# Allegro board PCIe3_0_X16_V1_0-166-20240802_20240828_pcb.brd (continued)
## Routing (per net, layer and track width the routed paths; a pad name or vN(x,y) marks a point on that pad's centre or on a via; arc(x,y) is an arc through that point) (continued)
  BOTTOM w0.15: 100.01,43.84 100.01,43.54 arc(100.04,43.45) 100.13,43.41 arc(100.22,43.38) 100.25,43.29 100.25,42.94 arc(100.22,42.85) 100.13,42.81 arc(100.04,42.78) 100.01,42.69 100.01,41.09 arc(99.86,39.61) 99.43,38.19 95.42,28.51 arc(94.7,27.17) 93.74,26 89.92,22.18 arc(89.36,21.72) 88.71,21.37 77.27,16.63 arc(75.86,15.88) 74.62,14.86 72.46,12.7 arc(72.35,12.54) 72.31,12.35 72.31,11.95 arc(72.35,11.74) 72.47,11.57 C326.1
PCIE_TXD_2_P: length 51.7
  TOP w0.127: U1.M5 v1(100.32,48.23)
  BOTTOM w0.102: v1(100.32,48.23) 100.32,48.02 arc(100.26,47.89) 100.13,47.83 100.13,47.83 arc(99.84,47.71) 99.72,47.42 99.72,44 arc(99.71,43.95) 99.68,43.91 99.63,43.87 99.63,43.84
  BOTTOM w0.15: C325.1 71.8,11.55 arc(71.9,11.71) 71.94,11.9 71.94,12.35 arc(72.01,12.68) 72.2,12.96 74.36,15.12 arc(75.65,16.19) 77.13,16.98 88.57,21.72 arc(89.15,22.03) 89.66,22.44 93.48,26.26 arc(94.4,27.38) 95.08,28.65 99.09,38.33 arc(99.5,39.68) 99.63,41.09 99.63,43.84
PCIE_TXD_3_N: length 49.8
  TOP w0.127: U1.P4 v1(102.32,47.23)
  BOTTOM w0.102: 102.01,43.84 102.01,43.86 101.96,43.91 arc(101.93,43.95) 101.92,44 101.92,47.41 arc(101.99,47.56) 102.14,47.63 102.22,47.63 arc(102.29,47.6) 102.32,47.53 v1(102.32,47.23)
  BOTTOM w0.15: C328.1 76.47,11.57 arc(76.35,11.74) 76.31,11.95 76.31,12.31 arc(76.34,12.47) 76.43,12.6 77.92,14.09 arc(79.77,15.61) 81.89,16.74 88.45,19.46 arc(89.46,20) 90.35,20.73 95.23,25.61 arc(96.34,26.97) 97.17,28.51 101.31,38.51 arc(101.83,40.22) 102.01,41.99 102.01,42.66 arc(102.05,42.76) 102.15,42.8 arc(102.24,42.84) 102.29,42.94 102.29,43.26 arc(102.24,43.36) 102.15,43.4 arc(102.05,43.44) 102.01,43.54 102.01,43.84
PCIE_TXD_3_P: length 49.8
  TOP w0.127: U1.P5 v1(102.32,48.23)
  BOTTOM w0.102: v1(102.32,48.23) 102.32,47.93 arc(102.29,47.86) 102.22,47.83 102.14,47.83 arc(101.84,47.71) 101.72,47.41 101.72,44 arc(101.71,43.95) 101.68,43.91 101.63,43.86 101.63,43.84
  BOTTOM w0.15: 101.63,43.84 101.63,41.99 arc(101.47,40.29) 100.97,38.65 96.83,28.65 arc(96.04,27.17) 94.97,25.87 90.09,20.99 arc(89.26,20.31) 88.3,19.8 81.75,17.08 arc(79.57,15.92) 77.65,14.35 76.17,12.86 arc(76,12.61) 75.94,12.31 75.94,11.9 arc(75.9,11.71) 75.8,11.55 C327.1
PCIE_TXD_4_N: length 46.5
  TOP w0.127: U1.T4 v1(104.32,47.23)
  BOTTOM w0.102: 104.01,43.84 104.01,43.85 103.96,43.9 arc(103.93,43.94) 103.92,43.99 103.92,47.47 arc(103.97,47.58) 104.07,47.63 104.13,47.63 arc(104.26,47.57) 104.32,47.44 v1(104.32,47.23)
  BOTTOM w0.15: 104.01,43.84 104.01,43.44 arc(104.06,43.31) 104.19,43.26 arc(104.3,43.21) 104.34,43.1 104.34,42.82 arc(104.3,42.7) 104.19,42.66 arc(104.06,42.61) 104.01,42.48 104.01,42.38 arc(103.87,40.97) 103.45,39.62 98.36,27.32 arc(97.82,26.31) 97.09,25.42 90.46,18.79 arc(89.81,18.19) 89.12,17.64 arc(87.91,16.86) 86.62,16.23 86.06,15.99 arc(85.06,15.46) 84.19,14.74 82.79,13.34 arc(82.44,12.83) 82.32,12.22 82.32,11.83 82.32,11.82 arc(82.34,11.72) 82.4,11.64 C332.1
PCIE_TXD_4_P: length 46.5
  TOP w0.127: U1.T5 v1(104.32,48.23)
  BOTTOM w0.102: v1(104.32,48.23) 104.32,48.02 arc(104.26,47.89) 104.13,47.83 104.07,47.83 arc(103.82,47.73) 103.72,47.47 103.72,43.92 103.67,43.88 arc(103.64,43.84) 103.63,43.79
  BOTTOM w0.15: 103.63,43.79 103.63,42.38 arc(103.5,41.05) 103.11,39.76 98.02,27.47 arc(97.51,26.52) 96.83,25.68 90.2,19.06 arc(89.57,18.47) 88.9,17.94 arc(87.73,17.18) 86.48,16.57 85.92,16.34 arc(84.86,15.77) 83.93,15.01 82.52,13.6 arc(82.1,12.97) 81.95,12.22 81.95,11.82 arc(81.93,11.71) 81.87,11.62 C331.1
PCIE_TXD_5_N: length 44.7
  TOP w0.127: U1.V4 v1(106.32,47.23)
  BOTTOM w0.102: v1(106.32,47.23) 106.32,47.44 arc(106.27,47.57) 106.13,47.63 arc(105.98,47.57) 105.92,47.42 105.92,43.99 arc(105.93,43.94) 105.96,43.9 106.01,43.85 106.01,43.84
  BOTTOM w0.15: 106.01,43.84 106.01,43.54 106.01,43.53 arc(106.05,43.44) 106.14,43.4 106.17,43.4 arc(106.26,43.36) 106.3,43.27 106.3,42.93 arc(106.26,42.84) 106.17,42.8 106.14,42.8 arc(106.05,42.76) 106.01,42.67 106.01,41.92 99.84,27.03 arc(99.17,25.77) 98.26,24.66 86.63,13.03 arc(86.43,12.73) 86.36,12.37 86.36,11.87 arc(86.4,11.69) 86.49,11.54 C334.1
PCIE_TXD_5_P: length 44.7
  TOP w0.127: U1.V5 v1(106.32,48.23)
  BOTTOM w0.102: 105.63,43.84 105.72,43.92 105.72,47.42 arc(105.84,47.71) 106.13,47.83 arc(106.26,47.89) 106.32,48.02 v1(106.32,48.23)
  BOTTOM w0.15: C333.1 85.82,11.58 arc(85.95,11.76) 85.99,11.98 85.99,12.37 arc(86.09,12.87) 86.37,13.3 98,24.92 arc(98.86,25.97) 99.5,27.17 105.64,41.99 105.64,43.53 105.63,43.53 105.63,43.84
PCIE_TXD_6_N: length 45.8
  TOP w0.127: U1.AB4 v1(111.32,47.23)
  BOTTOM w0.102: v1(111.32,47.23) 111.32,47.44 arc(111.26,47.57) 111.13,47.63 arc(110.98,47.57) 110.92,47.42 110.92,44.05 arc(110.93,44) 110.96,43.97 111.01,43.92 111.01,43.89
  BOTTOM w0.15: 111.01,43.89 111.01,42.87 arc(111.05,42.75) 111.17,42.7 arc(111.28,42.66) 111.33,42.54 111.33,42.27 arc(111.28,42.15) 111.17,42.1 arc(111.05,42.06) 111.01,41.94 111.01,41.07 arc(109.57,33.87) 105.5,27.77 90.83,13.11 90.6,12.88 arc(90.41,12.6) 90.35,12.26 90.35,11.89 arc(90.38,11.71) 90.49,11.55 C336.1
PCIE_TXD_6_P: length 45.7
  TOP w0.127: U1.AB5 v1(111.32,48.23)
  BOTTOM w0.102: v1(111.32,48.23) 111.32,48.02 arc(111.26,47.89) 111.13,47.83 arc(110.84,47.71) 110.72,47.42 110.72,44.05 arc(110.71,44) 110.68,43.97 110.63,43.92 110.63,43.89
  BOTTOM w0.15: 110.63,43.89 110.63,41.07 arc(109.23,34.02) 105.23,28.03 90.57,13.37 90.34,13.14 arc(90.07,12.74) 89.98,12.26 89.98,11.96 arc(89.94,11.75) 89.82,11.57 C335.1
PCIE_TXD_7_N: length 44.9
  TOP w0.127: U1.AD4 v1(113.32,47.23)
  BOTTOM w0.102: 113.01,43.89 113.01,43.92 112.96,43.97 arc(112.93,44) 112.92,44.05 112.92,47.44 arc(112.98,47.57) 113.11,47.63 113.13,47.63 arc(113.26,47.57) 113.32,47.44 v1(113.32,47.23)
  BOTTOM w0.15: C338.1 94.49,11.55 arc(94.39,11.7) 94.35,11.88 94.35,12.62 arc(94.51,13.4) 94.95,14.06 107.43,26.54 arc(111.56,32.72) 113.01,40.01 113.01,42.54 arc(113.05,42.64) 113.16,42.69 arc(113.26,42.73) 113.31,42.84 113.31,43.14 arc(113.26,43.24) 113.16,43.29 arc(113.05,43.33) 113.01,43.44 113.01,43.89
PCIE_TXD_7_P: length 44.9
  TOP w0.127: U1.AD5 v1(113.32,48.23)
  BOTTOM w0.102: v1(113.32,48.23) 113.32,48.02 arc(113.26,47.89) 113.13,47.83 113.11,47.83 arc(112.83,47.72) 112.72,47.44 112.72,44.05 arc(112.71,44) 112.68,43.97 112.63,43.92 112.63,43.89
  BOTTOM w0.15: C337.1 93.82,11.57 arc(93.94,11.75) 93.98,11.97 93.98,12.62 arc(94.17,13.54) 94.69,14.33 107.16,26.8 arc(111.21,32.86) 112.63,40.01 112.63,43.89
PCIE_TXD_8_N: length 43.3
  TOP w0.127: U1.AF4 v1(115.32,47.23)
  BOTTOM w0.102: v1(115.32,47.23) 115.32,47.51 arc(115.29,47.59) 115.21,47.63 115.16,47.63 arc(115.08,47.61) 115.02,47.57 114.99,47.54 arc(114.94,47.47) 114.92,47.38 114.92,44.05 arc(114.93,44) 114.96,43.97 115.01,43.92 115.01,43.89
  BOTTOM w0.15: C340.1 99.49,11.55 arc(99.39,11.7) 99.35,11.88 99.35,12.09 arc(99.74,14.01) 100.83,15.65 107.82,22.64 arc(113.14,30.6) 115.01,39.98 115.01,42.47 arc(115.05,42.58) 115.16,42.63 arc(115.27,42.68) 115.32,42.79 115.32,43.07 arc(115.27,43.18) 115.16,43.23 arc(115.05,43.27) 115.01,43.38 115.01,43.89
PCIE_TXD_8_P: length 43.2
  TOP w0.127: U1.AF5 v1(115.32,48.23)
  BOTTOM w0.102: v1(115.32,48.23) 115.32,47.99 arc(115.27,47.88) 115.17,47.83 115.16,47.83 arc(115,47.8) 114.87,47.71 114.85,47.69 arc(114.75,47.54) 114.72,47.38 114.72,44.05 arc(114.71,44) 114.68,43.97 114.63,43.92 114.63,43.89
  BOTTOM w0.15: C339.1 98.82,11.57 arc(98.94,11.75) 98.98,11.97 98.98,12.09 arc(99.4,14.15) 100.57,15.91 107.56,22.9 arc(112.8,30.74) 114.63,39.98 114.63,43.89
PCIE_TXD_9_N: length 42.4
  TOP w0.127: U1.AH4 v1(117.32,47.23)
  BOTTOM w0.102: 117.01,43.89 117.01,43.92 116.96,43.97 arc(116.93,44) 116.92,44.05 116.92,47.43 arc(116.98,47.57) 117.12,47.63 117.13,47.63 arc(117.26,47.57) 117.32,47.44 v1(117.32,47.23)
  BOTTOM w0.15: 117.01,43.89 117.01,43.16 arc(117.05,43.05) 117.16,43 arc(117.28,42.95) 117.32,42.84 117.32,42.56 arc(117.28,42.45) 117.16,42.4 arc(117.05,42.35) 117.01,42.24 117.01,39.24 arc(115.03,29.29) 109.39,20.85 104.65,16.12 arc(103.69,14.68) 103.35,12.98 103.35,11.88 arc(103.39,11.7) 103.49,11.55 C344.1
PCIE_TXD_9_P: length 42.4
  TOP w0.127: U1.AH5 v1(117.32,48.23)
  BOTTOM w0.102: v1(117.32,48.23) 117.32,48.02 arc(117.26,47.89) 117.13,47.83 117.12,47.83 arc(116.84,47.71) 116.72,47.43 116.72,44.05 arc(116.71,44) 116.68,43.97 116.63,43.92 116.63,43.89
  BOTTOM w0.15: 116.63,43.89 116.63,39.24 arc(114.68,29.43) 109.13,21.11 104.39,16.38 arc(103.35,14.82) 102.98,12.98 102.98,11.97 arc(102.94,11.75) 102.82,11.57 C343.1
PCIE_TXD_10_N: length 41.5
  TOP w0.127: U1.AK4 v1(119.32,47.23)
  BOTTOM w0.102: v1(119.32,47.23) 119.32,47.44 arc(119.26,47.57) 119.13,47.63 arc(118.98,47.57) 118.92,47.42 118.92,44.05 arc(118.93,44) 118.96,43.97 119.01,43.92 119.01,43.89
  BOTTOM w0.15: C346.1 107.49,11.55 arc(107.39,11.7) 107.35,11.88 107.35,14.07 arc(107.53,14.96) 108.03,15.71 110.29,17.97 arc(116.74,27.62) 119.01,39.01 119.01,42.38 arc(119.05,42.49) 119.15,42.53 arc(119.26,42.58) 119.3,42.68 119.3,42.98 arc(119.26,43.09) 119.15,43.13 arc(119.05,43.17) 119.01,43.28 119.01,43.89
PCIE_TXD_10_P: length 41.5
  TOP w0.127: U1.AK5 v1(119.32,48.23)
  BOTTOM w0.102: v1(119.32,48.23) 119.32,48.02 arc(119.26,47.89) 119.13,47.83 arc(118.84,47.71) 118.72,47.42 118.72,44.05 arc(118.71,44) 118.68,43.97 118.63,43.92 118.63,43.89
  BOTTOM w0.15: C345.1 106.82,11.57 arc(106.94,11.75) 106.98,11.97 106.98,14.07 arc(107.19,15.1) 107.77,15.98 110.02,18.23 arc(116.4,27.77) 118.63,39.01 118.63,43.89
PCIE_TXD_11_N: length 40.2
  TOP w0.127: U1.AM4 v1(121.32,47.23)
  BOTTOM w0.102: 121.01,43.92 120.96,43.97 arc(120.93,44) 120.92,44.05 120.92,47.47 arc(120.98,47.6) 121.11,47.65 121.12,47.65 arc(121.13,47.65) 121.14,47.65 121.18,47.65 arc(121.28,47.58) 121.32,47.46 v1(121.32,47.23)
  BOTTOM w0.15: C348.1 111.48,11.56 arc(111.37,11.73) 111.33,11.92 111.33,12.38 arc(111.33,12.44) 111.35,12.49 111.71,13.37 arc(112.03,14.04) 112.41,14.67 113.39,16.13 114.36,17.59 arc(114.95,18.58) 115.44,19.62 119.94,30.47 arc(120.25,31.33) 120.47,32.2 120.79,33.85 arc(120.95,34.92) 121.01,36 121.01,42.6 arc(121.04,42.69) 121.13,42.72 arc(121.22,42.76) 121.26,42.85 121.26,43.19 arc(121.22,43.28) 121.13,43.32 arc(121.04,43.36) 121.01,43.45 121.01,43.92
PCIE_TXD_11_P: length 40.2
  TOP w0.127: U1.AM5 v1(121.32,48.23)
  BOTTOM w0.102: v1(121.32,48.23) 121.32,48.04 arc(121.26,47.91) 121.13,47.86 121.11,47.86 arc(120.83,47.74) 120.72,47.47 120.72,44.05 arc(120.71,44) 120.68,43.97 120.63,43.92 120.63,43.89
  BOTTOM w0.15: C347.1 110.81,11.56 arc(110.92,11.73) 110.96,11.92 110.96,12.38 arc(110.97,12.51) 111.01,12.63 111.37,13.51 arc(111.7,14.21) 112.1,14.88 114.05,17.8 arc(114.62,18.75) 115.1,19.76 119.6,30.62 arc(119.89,31.43) 120.1,32.27 120.43,33.92 arc(120.58,34.96) 120.63,36 120.63,43.89
PCIE_TXD_12_N: length 39.4
  TOP w0.127: U1.AP4 v1(123.32,47.23)
  BOTTOM w0.102: 123.01,43.89 123.01,43.92 122.96,43.97 arc(122.93,44) 122.92,44.05 122.92,47.47 arc(122.98,47.6) 123.11,47.65 123.12,47.65 arc(123.13,47.65) 123.14,47.65 123.18,47.65 arc(123.28,47.58) 123.32,47.46 v1(123.32,47.23)
  BOTTOM w0.15: 123.01,43.89 123.01,43.5 arc(123.04,43.41) 123.12,43.38 arc(123.21,43.35) 123.24,43.26 123.24,42.9 arc(123.21,42.81) 123.12,42.78 arc(123.04,42.75) 123.01,42.66 123.01,37.49 arc(122.91,35.55) 122.62,33.63 121.99,30.42 arc(121.68,29.2) 121.26,28.01 115.91,15.11 arc(115.5,13.74) 115.35,12.31 115.35,11.88 arc(115.39,11.7) 115.49,11.55 C350.1
PCIE_TXD_12_P: length 39.4
  TOP w0.127: U1.AP5 v1(123.32,48.23)
  BOTTOM w0.102: 122.63,43.89 122.63,43.92 122.68,43.97 arc(122.71,44) 122.72,44.05 122.72,47.47 arc(122.83,47.74) 123.11,47.86 123.13,47.86 arc(123.26,47.91) 123.32,48.04 v1(123.32,48.23)
  BOTTOM w0.15: C349.1 114.82,11.57 arc(114.94,11.75) 114.98,11.97 114.98,12.31 arc(115.13,13.81) 115.57,15.25 120.91,28.15 arc(121.32,29.3) 121.62,30.49 122.26,33.7 arc(122.54,35.59) 122.63,37.49 122.63,43.89
PCIE_TXD_13_N: length 39
  TOP w0.15: U1.AT4 v1(125.32,47.23)
  BOTTOM w0.102: v1(125.32,47.23) 125.32,47.46 arc(125.28,47.58) 125.18,47.65 125.14,47.65 arc(125.13,47.65) 125.12,47.65 125.11,47.65 arc(124.98,47.6) 124.92,47.46 124.92,44.05 arc(124.93,44) 124.96,43.97 125.01,43.92 125.01,43.89
  BOTTOM w0.15: C352.1 119.49,11.55 arc(119.39,11.7) 119.35,11.88 119.35,16.85 arc(119.47,18.01) 119.81,19.12 122.9,26.6 arc(123.4,27.98) 123.76,29.41 124.76,34.46 arc(124.94,35.7) 125.01,36.95 125.01,42.37 arc(125.04,42.46) 125.13,42.5 arc(125.26,42.55) 125.31,42.67 125.31,42.92 arc(125.26,43.04) 125.13,43.1 arc(125.04,43.13) 125.01,43.22 125.01,43.89
PCIE_TXD_13_P: length 39
  TOP w0.15: U1.AT5 v1(125.32,48.23)
  BOTTOM w0.102: v1(125.32,48.23) 125.32,48.04 arc(125.26,47.91) 125.13,47.86 125.11,47.86 arc(124.83,47.74) 124.72,47.46 124.72,44.05 arc(124.71,44) 124.68,43.97 124.63,43.92 124.63,43.89
  BOTTOM w0.15: 124.63,43.89 124.63,36.95 arc(124.57,35.73) 124.4,34.53 123.39,29.48 arc(123.04,28.09) 122.56,26.74 119.46,19.26 arc(119.1,18.08) 118.98,16.85 118.98,11.97 arc(118.94,11.75) 118.82,11.57 C351.1
PCIE_TXD_14_N: length 40.5
  TOP w0.127: U1.AU6 v1(126.32,49.23)
  BOTTOM w0.102: 126.01,45.67 126.01,45.69 125.96,45.74 arc(125.93,45.78) 125.92,45.83 125.92,49.44 arc(125.98,49.59) 126.13,49.65 126.18,49.65 arc(126.28,49.58) 126.32,49.46 v1(126.32,49.23)
  BOTTOM w0.15: C354.1 123.49,11.55 arc(123.39,11.7) 123.35,11.88 123.35,15.8 arc(123.48,18.39) 123.86,20.96 126.28,33.1 arc(126.57,35.08) 126.67,37.09 126.67,41.42 arc(126.71,41.53) 126.82,41.57 arc(126.93,41.62) 126.97,41.72 126.97,42.02 arc(126.93,42.13) 126.82,42.17 arc(126.71,42.21) 126.67,42.32 126.67,42.62 arc(126.65,42.87) 126.57,43.11 126.1,44.25 arc(126.03,44.48) 126.01,44.73 126.01,45.67
PCIE_TXD_14_P: length 40.5
  TOP w0.127: U1.AU7 v1(126.32,50.23)
  BOTTOM w0.102: 125.63,45.67 125.63,45.69 125.68,45.74 arc(125.71,45.78) 125.72,45.83 125.72,49.44 arc(125.84,49.74) 126.13,49.86 126.13,49.86 arc(126.26,49.91) 126.32,50.04 v1(126.32,50.23)
  BOTTOM w0.15: 125.63,45.67 125.63,44.37 125.66,44.34 126.23,42.97 arc(126.28,42.8) 126.3,42.62 126.3,37.09 arc(126.2,35.12) 125.91,33.17 123.5,21.03 arc(123.11,18.43) 122.98,15.8 122.98,11.97 arc(122.94,11.75) 122.82,11.57 C353.1
PCIE_TXD_15_N: length 40.3
  TOP w0.127: U1.AW6 v1(128.32,49.23)
  BOTTOM w0.102: v1(128.32,49.23) 128.32,49.48 arc(128.28,49.58) 128.17,49.63 128.13,49.63 arc(127.98,49.57) 127.92,49.42 127.92,47.73 arc(127.93,47.69) 127.96,47.65 128.01,47.6 128.01,47.58
  BOTTOM w0.15: C356.1 127.49,11.55 arc(127.39,11.7) 127.35,11.88 127.35,27.23 arc(127.45,29.12) 127.72,30.99 127.8,31.34 arc(128.07,33.23) 128.17,35.13 128.17,42.53 arc(128.22,42.64) 128.33,42.69 arc(128.45,42.74) 128.5,42.86 128.5,43.13 arc(128.45,43.24) 128.33,43.29 arc(128.22,43.34) 128.17,43.46 128.17,43.94 arc(128.14,44.19) 128.07,44.43 127.81,45.07 arc(127.75,45.24) 127.74,45.42 127.74,46.39 arc(127.75,46.57) 127.81,46.73 127.95,47.09 arc(127.99,47.22) 128.01,47.35 128.01,47.58
PCIE_TXD_15_P: length 40.2
  TOP w0.127: U1.AW7 v1(128.32,50.23)
  BOTTOM w0.102: 127.63,47.58 127.63,47.6 127.68,47.65 arc(127.71,47.69) 127.72,47.73 127.72,49.42 arc(127.84,49.71) 128.13,49.83 arc(128.26,49.89) 128.32,50.02 v1(128.32,50.23)
  BOTTOM w0.15: C355.1 126.82,11.57 arc(126.94,11.75) 126.98,11.97 126.98,27.23 arc(127.08,29.16) 127.36,31.06 127.43,31.42 arc(127.71,33.26) 127.8,35.13 127.8,43.94 arc(127.78,44.12) 127.73,44.29 127.46,44.93 arc(127.39,45.17) 127.37,45.42 127.37,46.39 arc(127.39,46.64) 127.46,46.88 127.61,47.24 arc(127.63,47.29) 127.63,47.35 127.63,47.58
PCIE_VCC3V3: length 0.8
  BOTTOM w0.381: R201.1 v2(54.13,9.82)
  vias: v2(54.13,8.55) v2(54.13,7.28)
PCIE_WAKE_N: length 19.6
  TOP w0.127: R202.1 v1(54.13,12.16) 59.97,18 59.97,20.94 58.67,22.24 55.14,22.24 54.59,22.79 U19.8
  BOTTOM w0.127: R202.1 v1(54.13,12.16)
PCIE_WIDTH_X8: length 56.1
  TOP w0.127: P2.B48 94.65,8.4 v1(95.16,8.9)
  ART05 w0.086: v1(54.13,12.92) 54.13,13.17 56.09,15.14 94.26,15.14 95.5,13.89 95.5,9.25 v1(95.16,8.9)
  BOTTOM w0.127: v1(54.13,12.92) 53.49,12.28 53.49,11.57 53.31,11.39 R204.2
PCIE_WIDTH_X16: length 86.1
  TOP w0.127: v1(126.16,8.9) 126.25,8.9 127.66,7.49 127.66,4.01 P2.B81
  ART05 w0.086: v1(51.69,12.16) 51.69,13.18 54.66,16.15 116.66,16.15 123.91,8.9 v1(126.16,8.9)
  BOTTOM w0.127: R205.2 51.59,12.05 v1(51.69,12.16)
QSFP_CLK_156P25M_N: length 24.1
  TOP w0.102: v1(95.49,97.61) 95.2,97.61 95.1,97.71 95.1,98.31 94.79,98.62 93.95,98.62 93.85,98.72 U20.14
  BOTTOM w0.102: C15.1 103.67,85.25 103.67,87.17 102.42,88.42 102.42,94.01 99.97,96.46 99.97,98.04 99.75,98.27 98.35,98.27 98.25,98.17 98.25,98.07 98.15,97.97 97.94,97.97 97.84,98.07 97.84,98.17 97.74,98.27 97.54,98.27 97.44,98.17 97.44,98.07 97.33,97.97 97.13,97.97 97.03,98.07 97.03,98.17 96.93,98.27 95.23,98.27 95.13,98.17 95.13,97.71 95.23,97.61 v1(95.49,97.61)
QSFP_CLK_156P25M_P: length 23.8
  TOP w0.102: U20.13 93.86,98.22 93.96,98.32 94.67,98.32 94.8,98.19 94.8,97.71 94.7,97.61 v1(94.48,97.61)
  BOTTOM w0.102: v1(94.48,97.61) 94.74,97.61 94.84,97.71 94.84,98.29 95.11,98.57 99.87,98.57 100.27,98.17 100.27,96.58 102.72,94.13 102.72,88.54 103.97,87.29 103.97,85.25 C14.1
REFCLK_LVDS_200M_N: length 5.5
  TOP w0.102: U23.4 102.81,101.05 102.91,101.15 102.91,101.78 R215.1 102.94,102.26 102.94,103.01 103.27,103.35 103.27,104.4 103.58,104.71 103.86,104.71 104.1,104.95 U22.5
REFCLK_LVDS_200M_P: length 5.5
  TOP w0.102: U23.3 103.31,101.05 103.21,101.15 103.21,101.73 R215.2 103.48,102.09 103.23,102.34 103.23,102.89 103.56,103.22 103.56,104.28 103.7,104.42 104.05,104.42 104.19,104.28 U22.4
SFP0_LED: length 143.7
  TOP w0.127: U1.J11 v1(98.32,54.23)
  TOP w0.152: v2(17.63,16.14) R52.2
  ART03 w0.086: v2(17.63,16.14) 19.3,17.82 54.37,17.82 60.91,11.28 95.33,11.28 107.11,23.06 107.11,43.91 106.92,44.1 106.92,56.28 106.38,56.82 101.36,56.82 100.44,55.91 98.41,55.91 97.83,55.32 97.83,54.72 v1(98.32,54.23)
SFP1_LED: length 151.3
  TOP w0.127: U1.C13 v1(92.32,56.23)
  TOP w0.152: v2(20.04,14.87) R51.2
  ART03 w0.086: v2(20.04,14.87) 20.8,15.64 54.04,15.64 59.54,10.13 95.96,10.13 108.81,22.99 108.81,45.87 108.37,46.31 108.37,58.19 107.86,58.7 102.12,58.7 101.79,58.37 101.79,58.14 101.47,57.82 99.81,57.82 98.76,56.77 96.51,56.77 95.56,55.82 92.73,55.82 v1(92.32,56.23)
SFP2_LED: length 150
  TOP w0.127: U1.F12 v1(94.32,55.23)
  TOP w0.152: v2(17.63,14.87) R50.2
  ART03 w0.086: v1(94.32,55.23) 94.73,55.63 95.68,55.63 96.53,56.49 100.24,56.49 101.2,57.45 101.55,57.45 101.92,57.82 107.8,57.82 108.11,57.51 108.11,45.63 107.85,45.36 107.85,22.71 95.68,10.54 59.79,10.54 53.48,16.85 21.59,16.85 20.19,15.46 18.21,15.46 v2(17.63,14.87)
SFP3_LED: length 144.4
  TOP w0.127: U1.H12 v1(96.32,55.23)
  TOP w0.152: v2(20.04,16.14) R49.2
  ART03 w0.086: v2(20.04,16.14) 21.21,17.31 53.97,17.31 60.41,10.87 95.53,10.87 107.54,22.89 107.54,45.44 107.86,45.76 107.86,57.44 107.67,57.63 102.07,57.63 101.7,57.26 101.37,57.26 100.32,56.21 97.3,56.21 v1(96.32,55.23)
SFP_CLK_156P25M_N: length 119.2
  TOP w0.102: v1(91.53,95.71) 91.39,95.71 91.19,95.91 91.19,96.13 91.78,96.72 91.78,96.99 91.88,97.09 U20.10
  ART05 w0.084: v1(99.32,49.23) 99.32,49.55 99.4,49.64 99.52,49.64 99.75,49.41 99.75,43.68 99.67,43.6 99.67,43.49 99.17,42.99 98.79,42.99 98.7,43.08 98.7,43.27 98.62,43.36 98.45,43.36 98.37,43.27 98.37,43.08 98.28,42.99 98.11,42.99 98.03,43.08 98.03,43.27 97.95,43.36 97.78,43.36 97.7,43.27 97.7,43.08 97.61,42.99 97.44,42.99 97.36,43.08 97.36,43.22 97.28,43.31 97.11,43.31 97.02,43.22 97.02,43.08 96.94,42.99 89.85,42.99 83.94,45.44 68.86,45.44 67.55,46.75 66.86,48.43 65.35,52.05 65.35,92.94 67.62,95.21 88.05,95.21 89.03,94.8 90.76,94.8 91.19,95.23 91.19,95.62 91.28,95.71 v1(91.53,95.71)
  BOTTOM w0.102: C13.1 99.81,48.74 v1(99.32,49.23)
SFP_CLK_156P25M_P: length 119.2
  TOP w0.102: v1(90.51,95.71) 90.79,95.71 90.89,95.81 90.89,96.25 91.48,96.84 91.48,97.01 91.38,97.11 U20.9
  ART05 w0.084: v1(90.51,95.71) 90.76,95.71 90.85,95.62 90.85,95.37 90.62,95.15 89.1,95.15 88.11,95.55 67.48,95.55 65.01,93.08 65.01,51.98 66.86,47.53 67.26,46.55 68.72,45.1 83.87,45.1 86.76,43.9 89.78,42.65 99.32,42.65 100.01,43.34 100.01,43.6 99.93,43.68 99.93,49.49 99.6,49.82 99.4,49.82 99.32,49.91 v1(99.32,50.23)
  BOTTOM w0.102: v1(99.32,50.23) 99.79,49.76 C12.1
SMA_REFCLK_LVCMOS1V8: length 93.4
  TOP w0.127: J2.1 C18.1 v2(64.32,106.42)
  ART03 w0.086: v2(64.32,106.42) 65.63,105.11 74.14,105.11 82.25,97 98.42,97 99.11,96.32 100.74,96.32 104.85,92.2 104.85,70.05 104.6,69.8 98.15,69.8 97.82,69.47 97.82,67.94 97.59,67.72 97.05,67.72 96.8,67.46 96.8,60.78 96.25,60.23 v1(95.32,60.23)
  BOTTOM w0.127: R55.1 95.72,60.63 v1(95.32,60.23)
VCXO_156P25M_N: length 5.5
  TOP w0.102: U21.5 92.68,104.95 92.42,104.69 92.17,104.69 91.84,104.36 91.84,103.35 91.51,103.01 91.51,102.26 R209.1 91.48,101.78 91.48,101.15 91.38,101.05 U20.4
VCXO_156P25M_P: length 5.5
  TOP w0.102: U21.4 92.76,104.29 92.66,104.39 92.29,104.39 92.13,104.24 92.13,103.22 91.8,102.89 91.8,102.34 92.05,102.09 R209.2 91.78,101.73 91.78,101.15 91.88,101.05 U20.3
VREG_0V9: length 17.7
  TOP w0.254: U26.18 194.68,37.3 194.46,37.52 v1(194.24,37.52) ; R243.1 v1(203.35,36.15)
  ART03 w0.305: v1(194.24,37.52) 195.16,37.52 195.68,38.05 195.68,40.26 196.11,40.69 199.19,40.69 203.35,36.53 v1(203.35,36.15)
  BOTTOM w0.305: R242.1 194.54,39.09 194.43,38.97 C401.1 194.43,37.71 v1(194.24,37.52)
VREG_1V2: length 15.9
  TOP w0.254: v1(182.75,61.55) 182.75,61.76 182.97,61.99 U32.18 ; R280.1 v1(184.12,70.78)
  ART03 w0.381: v1(182.75,61.55) 182.75,62.3 183.17,62.73 184.89,62.73 185.27,63.11 185.27,66.4 183.79,67.87 183.79,70.46 v1(184.12,70.78)
  BOTTOM w0.254: v1(182.75,61.55) 182.56,61.73 C445.1 R285.1
VREG_1V5: length 18.1
  TOP w0.254: v1(182.75,23.32) 182.75,23.54 182.97,23.76 U27.18 ; R248.1 v1(184.12,32.43)
  ART03 w0.254: v1(184.12,32.43) 183.85,32.16 183.85,29.61 186.05,27.42 186.05,23.02 185.65,22.63 183.44,22.63 v1(182.75,23.32)
  BOTTOM w0.305: R253.1 181.15,23.62 181.27,23.51 C410.1 182.56,23.51 v1(182.75,23.32)
VREG_1V8: length 18.9
  TOP w0.254: U25.18 182.97,42.81 182.75,42.59 v1(182.75,42.37) ; R228.1 v1(184.12,51.48)
  ART03 w0.381: v1(182.75,42.37) 183.93,43.56 184.96,43.56 185.34,43.94 185.34,47.35 184.81,47.88 182.93,47.88 181.99,48.82 181.99,50.8 182.67,51.48 v1(184.12,51.48)
  BOTTOM w0.305: v1(182.75,42.37) 182.56,42.56 C392.1 181.27,42.56 181.15,42.67 R233.1
VREG_3V3: length 15.5
  TOP w0.254: v1(194.24,68.9) 194.46,68.9 194.68,68.68 U29.18 ; R263.1 v1(203.35,67.53)
  ART03 w0.305: v1(194.24,68.9) 194.92,68.9 195.22,68.6 195.22,67.23 196.01,66.45 199.05,66.45 200.42,67.82 203.06,67.82 v1(203.35,67.53)
  BOTTOM w0.305: R268.1 194.54,70.4 194.43,70.28 C428.1 194.43,69.09 v1(194.24,68.9)
VREG_VCCINT: length 16.1
  TOP w0.254: U24.18 182.97,84.34 182.75,84.12 v1(182.75,83.9) ; R218.1 v1(184.2,93.13)
  ART03 w0.254: v1(184.2,93.13) 184.2,92.59 184.81,91.97 185.6,91.97 186,91.57 186,85.36 185.75,85.1 183.03,85.1 182.75,84.82 v1(182.75,83.9)
  BOTTOM w0.254: v1(182.75,83.9) 182.56,84.09 C375.2
VTTDDR4_1: length 28.8
  TOP w0.203: U33.5 82.71,25.18 82.42,24.89 82.42,24.61
  TOP w0.381: 64.88,40.21 C158.1 ; 66.75,30.58 66.75,25.4 69.67,22.48 81.71,22.48 82.42,23.19 82.42,24.61 ; 64.78,33.78 C169.1 ; 64.94,38.55 C160.1 ; 64.8,35.34 C157.1 ; 65.11,43.5 C161.1
  vias: v1(67.8,30.58) v1(68.82,30.58) v1(74.53,30.58) v1(75.8,30.58) v1(77.07,30.58) v1(78.09,30.58) v2(76.24,28.7) v2(76.24,27.43) v2(77.38,28.7) v2(77.38,27.43)
VTTDDR4_2: length 44.7
  TOP w0.203: v2(134.1,104.95) 134.44,104.95 134.63,104.76 134.63,104.48 134.49,104.34 U34.5
  TOP w0.305: C251.1 v1(153.17,94.01) ; C254.1 v1(153.17,89.69) ; C250.1 v1(153.17,84.02) ; C249.1 v1(153.17,97.1) ; C248.1 v1(153.17,92.91) ; C256.1 v1(153.17,88.46) ; C255.1 v1(153.17,85.25)
  ART12 w0.381: v1(153.17,89.69) 152.57,89.69 151,91.26 151,102.39 148.44,104.95 v2(134.1,104.95)
  BOTTOM w0.305: C254.1 v1(153.17,89.69) ; C255.1 v1(153.17,85.25) ; C256.1 v1(153.17,88.46) ; C250.1 v1(153.17,84.02) ; C248.1 v1(153.17,92.91) ; C251.1 v1(153.17,94.01)
  vias: v2(135.75,103.28) v2(137.02,103.28) v2(138.29,103.28)
VTTVREF_DDR4_1: length 10.2
  TOP w0.305: U5.M1 v1(72.35,92.47) 72.35,93.17 ; 72.35,68.09 v1(72.35,67.33) U8.M1 ; v1(72.35,42.18) U7.M1 ; U6.M1 v1(72.35,54.76) 72.35,55.46 ; 72.35,80.55 v1(72.35,79.9) U4.M1
  TOP w0.381: v1(72.35,42.18) 72.35,42.97
  BOTTOM w0.305: C93.1 72.14,42.39 v1(72.35,42.18) ; C123.1 72.14,67.53 v1(72.35,67.33) ; C124.1 72.14,80.11 v1(72.35,79.9) ; v1(72.35,54.76) 72.14,54.96 C94.1 ; C153.1 72.19,92.63 v1(72.35,92.47)
VTTVREF_DDR4_2: length 33.5
  TOP w0.305: U12.M1 v1(145.29,47.56) arc(145.34,47.49) 145.35,47.42 145.35,46.79 ; v1(145.29,85.27) U9.M1 ; 145.29,71.96 v1(145.29,72.7) U10.M1 ; U13.M1 v1(145.29,60.13) 145.29,59.42 ; U11.M1 v1(145.29,34.98)
  TOP w0.381: 145.29,84.43 v1(145.29,85.27)
  ART05 w0.381: v1(145.29,34.98) 145.29,34.29 145.68,33.91 149.49,33.91 150.48,34.9 150.48,46.58 150.1,46.96 145.68,46.96 145.29,47.35 v1(145.29,47.56)
  BOTTOM w0.305: C212.1 145.5,59.92 v1(145.29,60.13) ; v1(145.29,47.56) 145.5,47.35 C213.1 ; C182.1 145.5,85.07 v1(145.29,85.27) ; v1(145.29,34.98) 145.5,34.78 C242.1 ; v1(145.29,72.7) 145.5,72.5 C183.1
